# Altium PCB adafruit flora mainboard 2.PcbDoc
Units mil, origin at the board's own origin, x right, y up, seen from the top; angles counter-clockwise.
Board outline 1750 x 1740 mil, 16 copper layers (Top, Route2, Route3, Route4, Route5, Route6, Route7, Route8, Route9, Route10, Route11, Route12, Route13, Route14, Route15, Bottom), stack 34.956 mil thick; 55 components, 39 nets, 159 pads, 47 vias.
Unrouted connection lines stored in the file: 1.
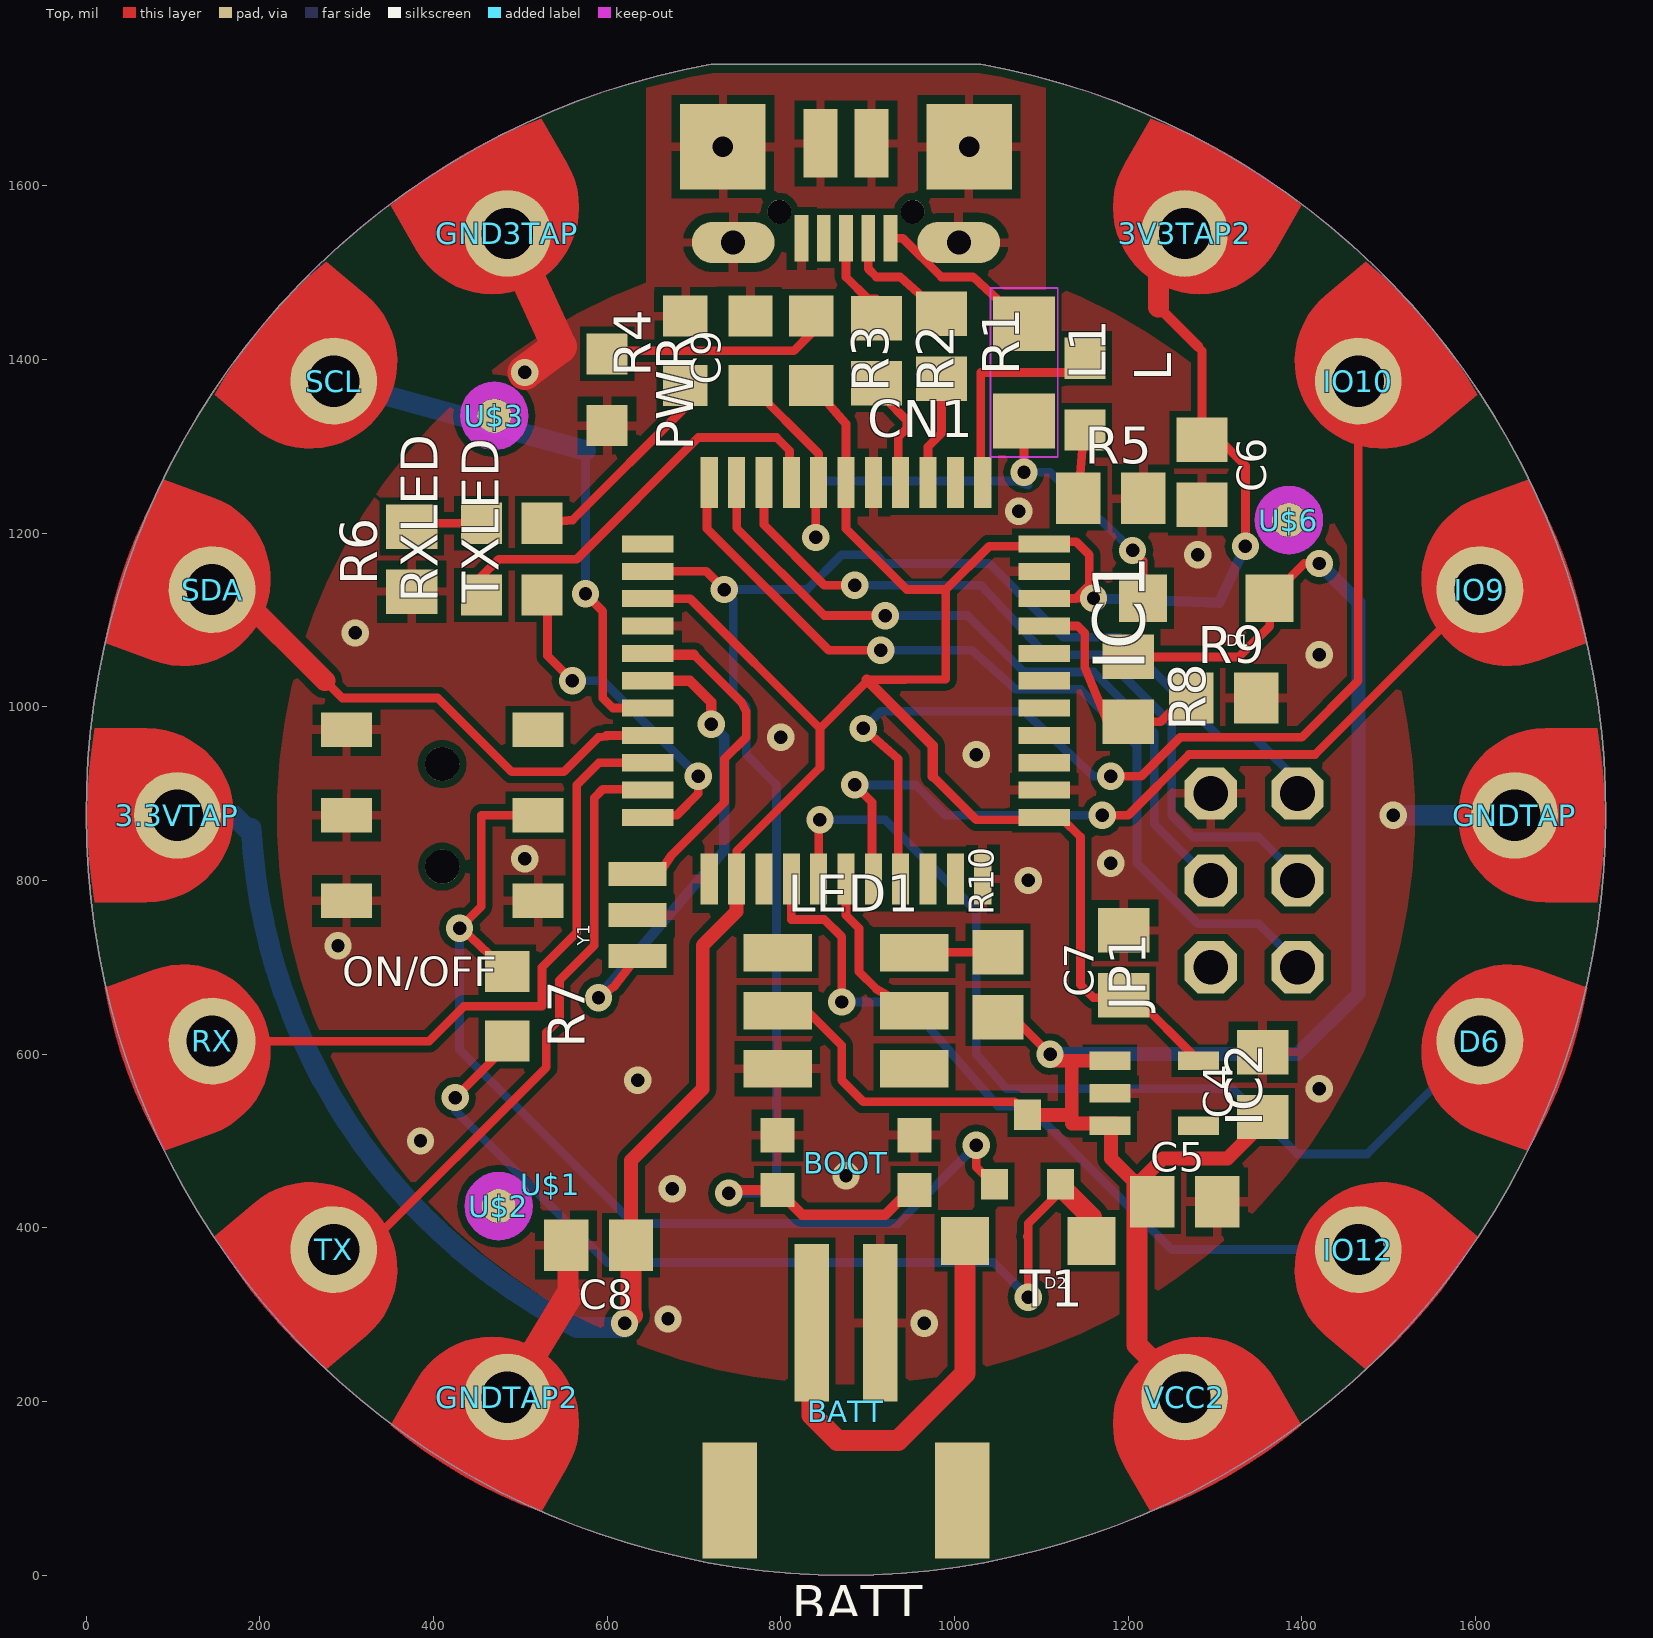
[diagram p0: Top view]
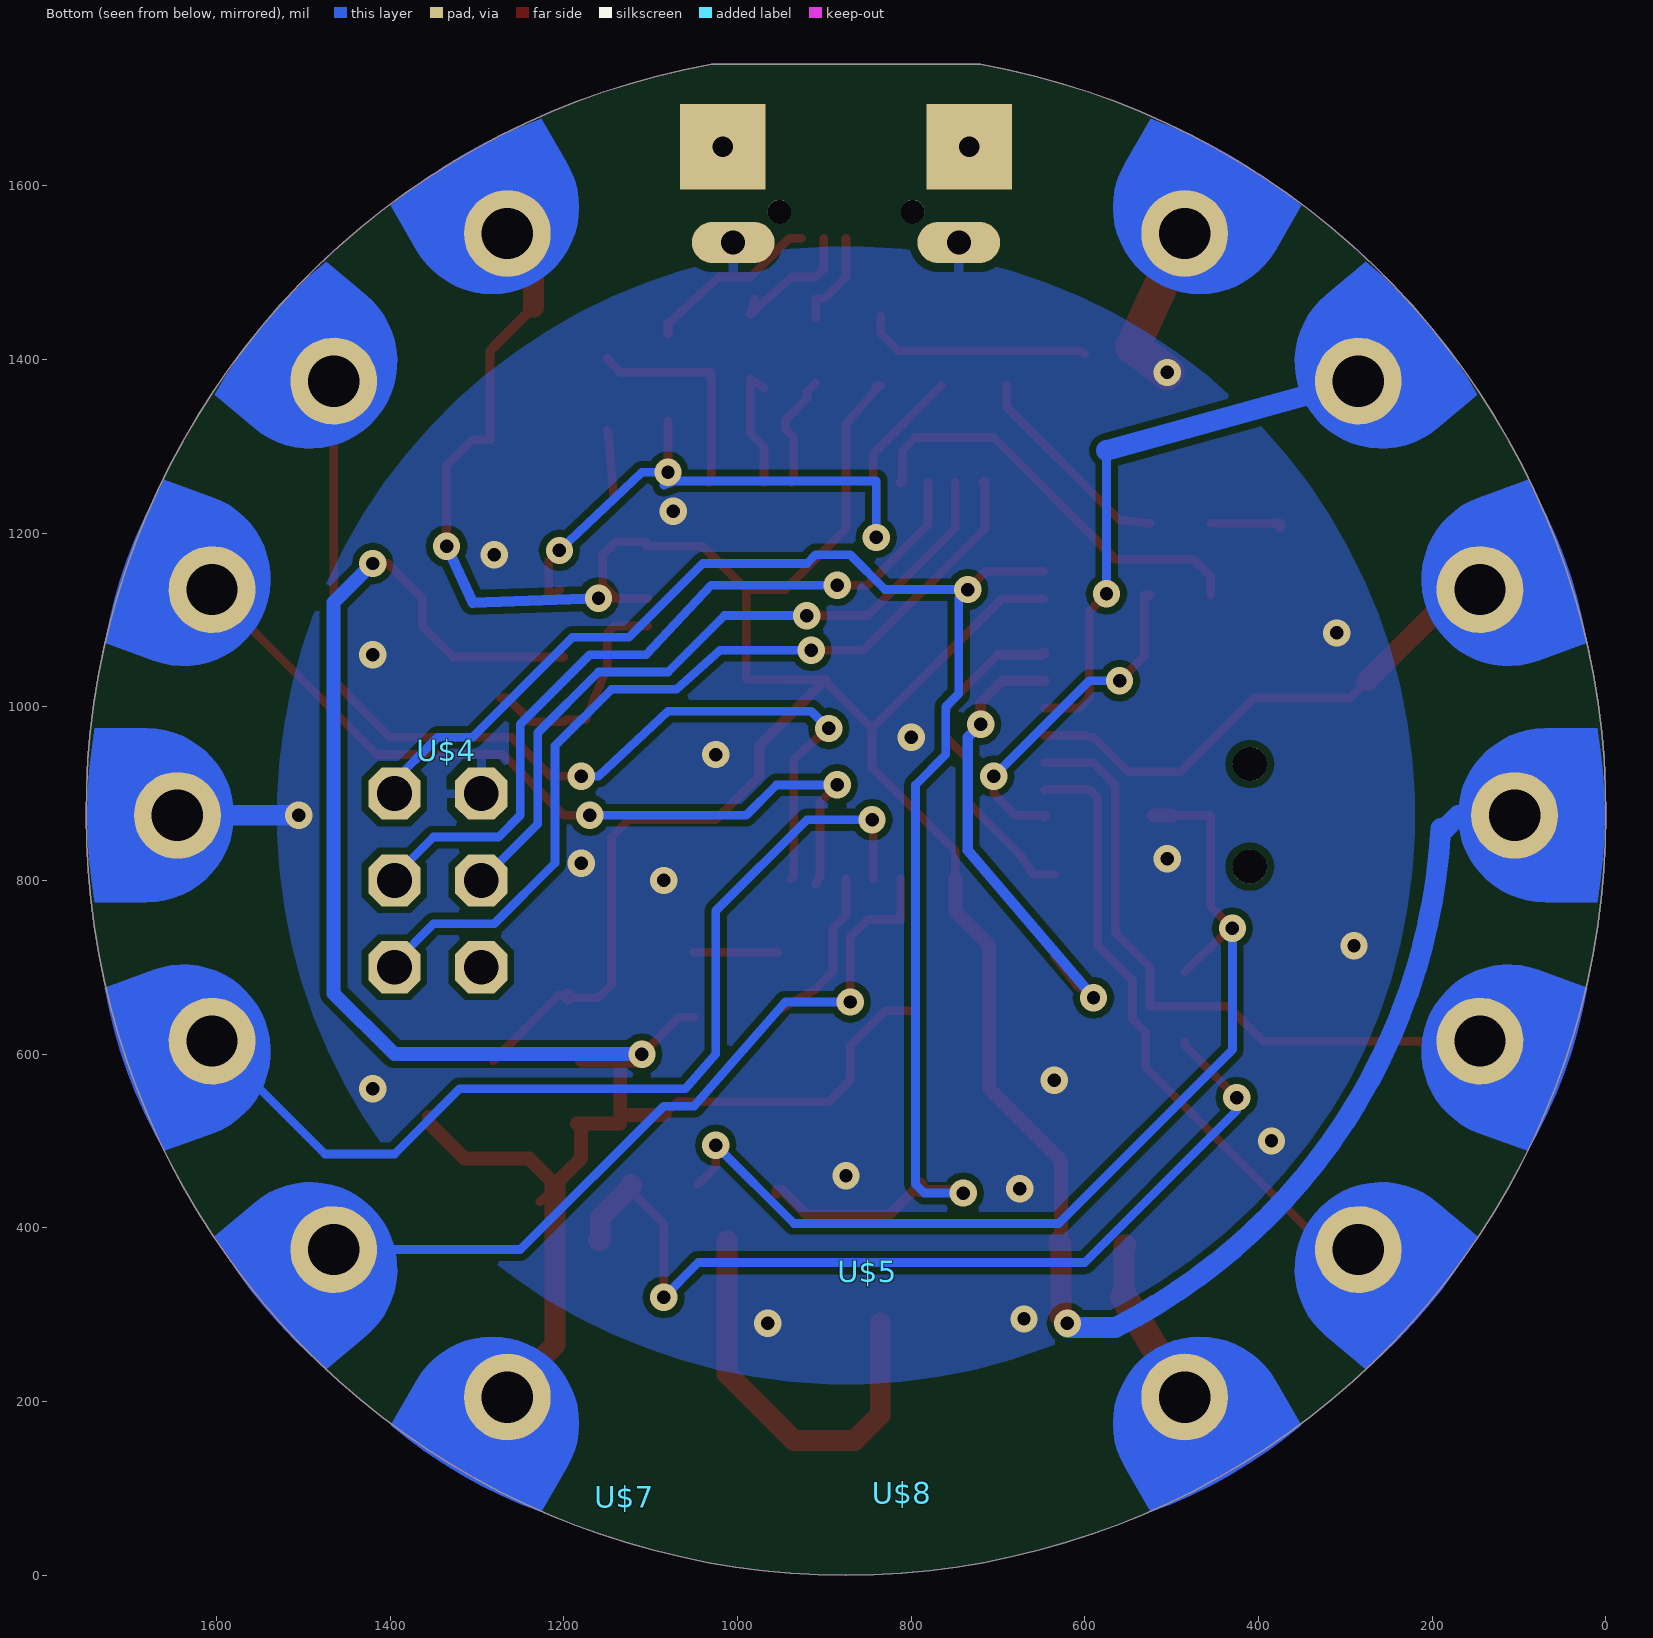
[diagram p1: Bottom view, seen from below]

## Layer stack, top to bottom
Top Solder: solder mask 0.4, Solder Resist, Dk 3.5
Top: signal copper 1.378
Dielectric 1: dielectric 12.6, FR-4, Dk 4.8
Route2: signal copper 1.4
Route3: signal copper 1.4
Route4: signal copper 1.4
Route5: signal copper 1.4
Route6: signal copper 1.4
Route7: signal copper 1.4
Route8: signal copper 1.4
Route9: signal copper 1.4
Route10: signal copper 1.4
Route11: signal copper 1.4
Route12: signal copper 1.4
Route13: signal copper 1.4
Route14: signal copper 1.4
Route15: signal copper 1.4
Bottom: signal copper 1.378
Bottom Solder: solder mask 0.4, Solder Resist, Dk 3.5

## Board outline
720.01,1740 ccw(c875.44,878.47) 0.01,875 ccw(c875.01,875) 875.01,0 ccw(c875.01,875) 1750.01,875 ccw(c874.57,878.47) 1030.01,1740

## Design rules (kind name [scope] priority, off if disabled: settings)
BoardOutlineClearance mdCopperDimension [All] p1: gap=10 ignorepadtopadclearanceinfootprint=FALSE except(0: Arc-SplitContinuation Track-SplitContinuation SMDPad-SplitContinuation THPad-SplitContinuation Via-SplitContinuation Fill-SplitContinuation Poly-SplitContinuation Region-SplitContinuation Text-SplitContinuation)
Clearance "Clearance (Same Net)" [All] p1: gap=8 ignorepadtopadclearanceinfootprint=FALSE
Clearance [All] p2: gap=8 ignorepadtopadclearanceinfootprint=FALSE except(0: Arc-Poly Track-Poly SMDPad-Poly THPad-Poly Via-Poly Fill-Poly Poly-Poly Poly-Region Poly-Text; 10: Poly-Hole)
HoleSize [All] p1: absolutevalues=TRUE maxlimit=100000 minlimit=15.5 maxpercent=80.000 minpercent=20.000
HoleToHoleClearance mdDrill [All] p1: gap=8 allowstackedmicrovias=TRUE
PasteMaskExpansion Expansion_SMDPaste_OFF [InPadClass('SMDPaste_OFF')] p1: expansion=0
PasteMaskExpansion mlMinCreamFrame [All] p2: expansion=0
PolygonConnect PolygonConnect_For_PolygonThermal_ON_Width100000_Gap100000 [InPolygonClass('PolygonThermal_ON_Width100000_Gap100000') vs Not IsVia] p1: connectstyle=Relief reliefconductorwidth=10 reliefentries=4 polygonreliefangle="90 Angle" airgapwidth=10
PolygonConnect ThermalVias [IsVia] p2: connectstyle=Direct reliefconductorwidth=10 reliefentries=4 polygonreliefangle="90 Angle" airgapwidth=10
PolygonConnect [All] p3: connectstyle=Relief reliefconductorwidth=10 reliefentries=4 polygonreliefangle="90 Angle" airgapwidth=10
RoutingVias [All] p1: holewidth=15.5 width=31.5 viastyle="Through Hole" minholewidth=15.5 minwidth=31.5 maxholewidth=100 maxwidth=100
SolderMaskExpansion Expansion_SMDSolder_OFF [InPadClass('SMDSolder_OFF')] p1: expansion=0
SolderMaskExpansion mlMinStopFrame [All] p2: expansion=2
Width [All] p1: maxlimit=10000 minlimit=8 preferedwidth=8
27 further rules are at their usual default settings.

## Classes and differential pairs
polygon class PolygonThermal_ON_Width100000_Gap100000: Polygon_1_Net_GND Polygon_2_Net_GND Polygon_3_Net_GND
polygon class Isolate_0: Polygon_1_Net_GND Polygon_2_Net_GND Polygon_3_Net_GND
pad class SMDSolder_OFF: CN1-D+ CN1-D- CN1-GND CN1-ID CN1-VBUS
pad class SMDPaste_OFF: U$2-1 U$3-1 U$6-1

## Components (designator, comment, footprint, x,y, rotation, side; value= is the part's Value field where it differs from the comment)
3.3VTAP "" SEWINGTAP_2.0 105.01,875 r90 top
3V3TAP2 "" SEWINGTAP_2.0 1265.01,1545 r330 top
BATT "3-9VDC" JST-PH-2-SMT-RA 875.01,145 r180 top
BOOT "" KMR2 875.01,475 r180 top
C4 "10uF" 0805-NO 1355.01,565 r90 top
C5 "10uF" 0805-NO 1265.01,430 r0 top
C6 "10uF" 0805-NO 1285.01,1270 r270 top
C7 "10uF" 0805-NO 1195.01,705 r90 top
C8 "10uF" 0805-NO 590.01,380 r180 top
C9 "10uF" _0805MP 765.01,1410 r90 top
CN1 "MiniB USB" 4UCONN_20329 875.01,1570 r180 top
D1 "SCHOTTKY" SOD-123 1290.01,1125 r180 top
D2 "SCHOTTKY" SOD-123 1085.01,385 r180 top
D6 "" SEWINGTAP_2.0 1605.01,615 r250 top
GND3TAP "" SEWINGTAP_2.0 485.01,1545 r30 top
GNDTAP "" SEWINGTAP_2.0 1645.01,875 r270 top
GNDTAP2 "" SEWINGTAP_2.0 485.01,205 r150 top
IC1 "ATMEGA32U4-AU" TQFP44 875.01,1030 r270 top
IC2 "MIC5225-3.3V" SOT23-5L 1230.01,555 r270 top
IO9 "" SEWINGTAP_2.0 1605.01,1135 r290 top
IO10 "" SEWINGTAP_2.0 1465.01,1375 r310 top
IO12 "" SEWINGTAP_2.0 1465.01,375 r230 top
JP1 "ICSP" 2X03 1345.01,800 r90 top
L "RED" CHIPLED_0805_NOOUTLINE 1150.01,1360 r180 top
L1 "500mA" R1206 1080.01,1385 r270 top
LED1 "WS2812" WS2812 875.01,650 r0 top
ON/OFF "EG1390" EG1390 410.01,875 r90 top
PWR "GREEN" CHIPLED_0805_NOOUTLINE 600.01,1365 r180 top
R1 "22" 0805-NO 985.01,1415 r270 top
R2 "22" 0805-NO 910.01,1410 r270 top
R3 "1K" _0805MP 835.01,1410 r270 top
R4 "1K" _0805MP 690.01,1410 r90 top
R5 "1K" 0805-NO 1180.01,1240 r0 top
R6 "1K" 0805-NO 375.01,1170 r90 top
R7 "10K" _0805MP 485.01,655 r270 top
R8 "150K" 0805-NO 1200.01,1020 r270 top
R9 "10K" 0805-NO 1310.01,1010 r0 top
R10 "2.2K" 0805-NO 1050.01,680 r90 top
RX "" SEWINGTAP_2.0 145.01,615 r110 top
RXLED "YELLOW" CHIPLED_0805_NOOUTLINE 455.01,1170 r0 top
SCL "" SEWINGTAP_2.0 285.01,1375 r50 top
SDA "" SEWINGTAP_2.0 145.01,1135 r70 top
T1 "DMG3415" SOT-23 1085.01,490 r180 top
TX "" SEWINGTAP_2.0 285.01,375 r130 top
TXLED "YELLOW" CHIPLED_0805_NOOUTLINE 525.01,1170 r0 top
U$1 "" ADAFRUIT_5MM 535.01,450 r0 top
U$2 "" FIDUCIAL_1MM 475.01,425 r0 top
U$3 "" FIDUCIAL_1MM 470.01,1335 r0 top
U$4 "" FLORAMED 1335.01,950 r180 bottom
U$5 "" PCBFEAT-REV-040 850.01,350 r180 bottom
U$6 "" FIDUCIAL_1MM 1385.01,1215 r0 top
U$7 "" SYMBOL_FCC_5MM 1130.01,90 r180 bottom
U$8 "" SYMBOL_CE_5MM 810.01,95 r180 bottom
VCC2 "" SEWINGTAP_2.0 1265.01,205 r210 top
Y1 "8MHz" RESONATOR-SMD 635.01,760 r90 top

## Footprints (in the part's own frame and the unit in brackets; to place one, negate y for a bottom-side part, rotate by r counter-clockwise, add the part's x,y. Pads: shape width x height; smd on the part's side, far side on the other; paste and mask are expansions set on the pad)
2X03 [mil] "2X03"
  oct 60x60 hole 40: 1(-100,-50) 2(-100,50) 3(0,-50) 4(0,50) 5(100,-50) 6(100,50)
  body extent -130,-80 130,80, height 150
4UCONN_20329 [mm] "4UCONN_20329"
  rect 1x2 smd: BASE@1(-0.75,-2) BASE@2(0.75,-2)
  rect 0.4x1.35 smd mask+0: D+(0,0.775) D-(-0.65,0.775) GND(1.3,0.775) ID(0.65,0.775) VBUS(-1.3,0.775)
  round 0.7 hole 0.7 unplated: MH1(-1.95,0) MH2(1.95,0)
  oval 2.416x1.208 / inner round 1.524 / far side oval 2.416x1.208 hole 0.7: SPRT@1(-3.3,0.9) SPRT@2(3.3,0.9)
  rect 2.5x2.5 / inner rect 1.524x1.524 / far side rect 2.5x2.5 hole 0.6: SPRT@3(-3.6,-1.9) SPRT@4(3.6,-1.9)
  body extent -5.05,-4.97 5.05,1.67, height 3.81
0805-NO [mil] "0805-NO"
  rect 51.18x59.06 smd: 1(-37.4,0) 2(37.4,0)
  body extent -63,-30 63,30, height 150
_0805MP [mil] "_0805MP"
  rect 47.24x51.18 smd: 1(-40,0) 2(40,0)
  body extent -64,-26 64,26, height 150
ADAFRUIT_5MM [mil] "ADAFRUIT_5MM"
CHIPLED_0805_NOOUTLINE [mil] "CHIPLED_0805_NOOUTLINE"
  rect 47.24x47.24 smd: A(0,-41.34) C(0,41.34)
  body extent -25,-65 25,65, height 150
EG1390 [mm] "EG1390"
  round 1 hole 1 unplated: MH1(1.5,0) MH2(-1.5,0)
  rect 1x1.5 smd: O1(-2.5,2.8) O2(-2.5,-2.8) P1(0,2.8) P2(0,-2.8) S1(2.5,2.8) S2(2.5,-2.8)
  body extent -3,-3.55 3,3.55, height 1.27
FIDUCIAL_1MM [mm] "FIDUCIAL_1MM"
  rrect100% 1x1 smd paste+0: 1(0,0)
  Top keep-out lines w0.5: -0.75,0 ccw(c0,0) 0,-0.75 ; -0.75,0 cw(c0,0) 0,0.75 ; -0.75,0 ccw(c0,0) 0,-0.75 ; -0.75,0 cw(c0,0) 0,0.75 ; 0,-0.75 ccw(c0,0) 0.75,0 ; 0,-0.75 ccw(c0,0) 0.75,0 ; 0,0.75 cw(c0,0) 0.75,0 ; 0,0.75 cw(c0,0) 0.75,0
  body extent -1.01,-1.01 1.01,1.01, height 3.81
FLORAMED [mil] "FLORAMED"
JST-PH-2-SMT-RA [mm] "JST-PH-2-SMT-RA"
  rect 1x4.6 smd: 1(1,-3.7) 2(-1,-3.7)
  rect 1.6x3.4 smd: NC1(-3.4,1.5) NC2(3.4,1.5)
  body extent -4.2,-6 4.2,3.2, height 3.81
KMR2 [mm] "KMR2"
  rect 1x1 smd: 1(2,0.8) 2(2,-0.8) 3(-2,0.8) 4(-2,-0.8)
  body extent -2.5,-1.3 2.5,1.3, height 1.27
PCBFEAT-REV-040 [mil] "PCBFEAT-REV-040"
R1206 [mil] "R1206"
  rect 62.99x70.98 smd: 1(-55.98,0) 2(55.98,0)
  Top keep-out lines w2: 97.36,-38.7 -97.36,-38.7 -97.36,38.7 97.36,38.7 97.36,-38.7
  body extent -98,-40 98,40, height 150
RESONATOR-SMD [mil] "RESONATOR-SMD"
  rect 27.56x66.93 smd: 1(-47.24,0) 2(0,0) 3(47.24,0)
  body extent -66,-33 66,33, height 150
SEWINGTAP_2.0 [mil] "SEWINGTAP_2.0"
  round 100 / inner round 60 / far side round 100 hole 59.06: P$1(0,0)
  Top region: 100,95 0,103.75 -100,95 -100,95 -100,35 -92.39,-3.27 -70.71,-35.71 -38.27,-57.39 0,-65 0,-65 38.27,-57.39 70.71,-35.71 92.39,-3.27 100,35 100,35 100,95
  Bottom region: 100,95 0,103.75 -100,95 -100,95 -100,35 -92.39,-3.27 -70.71,-35.71 -38.27,-57.39 0,-65 0,-65 38.27,-57.39 70.71,-35.71 92.39,-3.27 100,35 100,35 100,95
  body extent -100,-65 100,104, height 150
SOD-123 [mil] "SOD-123"
  rect 55.12x55.12 smd: A(72.83,0) C(-72.83,0)
  body extent -100,-32 100,32, height 150
SOT23-5L [mil] "SOT23-5L"
  rect 21.65x47.24 smd: 1(-37.4,-51.18) 2(0,-51.18) 3(37.4,-51.18) 4(37.4,51.18) 5(-37.4,51.18)
  body extent -59,-75 59,75, height 150
SOT-23 [mil] "SOT-23"
  rect 31x35 smd: 1(1,-40) 2(-37,40) 3(39,40)
  body extent -53,-58 54,58, height 150
SYMBOL_CE_5MM [mil] "SYMBOL_CE_5MM"
SYMBOL_FCC_5MM [mil] "SYMBOL_FCC_5MM"
TQFP44 [mil] "TQFP44"
  rect 59.06x19.69 smd: 1(-228.35,157.48) 2(-228.35,125.98) 3(-228.35,94.49) 4(-228.35,62.99) 5(-228.35,31.5) 6(-228.35,0) 7(-228.35,-31.5) 8(-228.35,-62.99) 9(-228.35,-94.49) 10(-228.35,-125.98) 11(-228.35,-157.48) 23(228.35,-157.48) 24(228.35,-125.98) 25(228.35,-94.49) 26(228.35,-62.99) 27(228.35,-31.5) 28(228.35,0) 29(228.35,31.5) 30(228.35,62.99) 31(228.35,94.49) 32(228.35,125.98) 33(228.35,157.48)
  rect 19.69x59.06 smd: 12(-157.48,-228.35) 13(-125.98,-228.35) 14(-94.49,-228.35) 15(-62.99,-228.35) 16(-31.5,-228.35) 17(0,-228.35) 18(31.5,-228.35) 19(62.99,-228.35) 20(94.49,-228.35) 21(125.98,-228.35) 22(157.48,-228.35) 34(157.48,228.35) 35(125.98,228.35) 36(94.49,228.35) 37(62.99,228.35) 38(31.5,228.35) 39(0,228.35) 40(-31.5,228.35) 41(-62.99,228.35) 42(-94.49,228.35) 43(-125.98,228.35) 44(-157.48,228.35)
  body extent -258,-258 258,258, height 150
WS2812 [mm] "WS2812"
  rect 2x1.1 smd: DI(2,0) DO(2,-1.7) LEDVDD(-2,0) NC(-2,1.7) VDD(2,1.7) VSS(-2,-1.7)
  body extent -3,-2.25 3,2.25, height 1.27

## Part data
3.3VTAP 3V3TAP2 D6 GND3TAP GNDTAP GNDTAP2 IO9 IO10 IO12 RX SCL SDA TX VCC2: library part SEWINGTAP_2.0, PackageName=SEWINGTAP_2.0
BATT: library part JST-PH-2-SMT-RA, PackageName=JST-PH-2-SMT-RA
BOOT: library part KMR2, PackageName=KMR2
C4 C5 C6 C7 C8 R1 R2 R5 R6 R8 R9 R10: library part 0805-NO, PackageName=0805-NO
C9 R3 R4 R7: library part _0805MP, PackageName=_0805MP
CN1: library part 4UCONN_20329, PackageName=4UCONN_20329
D1 D2: library part SOD-123, PackageName=SOD-123
IC1: library part TQFP44, PackageName=TQFP44
IC2: library part SOT23-5L, PackageName=SOT23-5L
JP1: library part 2X03, PackageName=2X03
L PWR RXLED TXLED: library part CHIPLED_0805_NOOUTLINE, PackageName=CHIPLED_0805_NOOUTLINE
L1: library part R1206, PackageName=R1206
T1: library part SOT-23, PackageName=SOT-23
U$1: library part ADAFRUIT_5MM, PackageName=ADAFRUIT_5MM
U$2 U$3 U$6: library part FIDUCIAL_1MM, PackageName=FIDUCIAL_1MM
U$4: library part FLORAMED, PackageName=FLORAMED
U$5: library part PCBFEAT-REV-040, PackageName=PCBFEAT-REV-040
U$7: library part SYMBOL_FCC_5MM, PackageName=SYMBOL_FCC_5MM
U$8: library part SYMBOL_CE_5MM, PackageName=SYMBOL_CE_5MM
Y1: library part RESONATOR-SMD, PackageName=RESONATOR-SMD
LED1: PackageName=WS2812
ON/OFF: PackageName=EG1390

## Via types
v1: diameter 31.5/31.5/31.5/31.5/31.5/31.5/31.5/31.5/31.5/31.5/31.5/31.5/31.5/31.5/31.5/31.5 (per signal layer), hole 15.5, Top to Bottom, tented both sides, 47 vias

## Nets (pads, with @x,y where several pads share a name; then routed paths per layer and width w, separated by ;. In a path a pad name is that pad's centre, name@x,y a point inside that pad or via, vN(x,y) a via of type N, cw(c..) or ccw(c..) an arc to the next point about the centre after c; other vN are vias at no path point)
+3V3: 3.3VTAP.P$1 3V3TAP2.P$1 C6.1 C7.1 C8.1 IC1.6 IC1.14 IC1.24 IC1.34 IC1.42 IC1.44 IC2.5 R3.2 | length 4223.8
  Top w10: IC1.14 695.52,1124.49 845.01,975 ; IC1.24 749.03,834.02 845.01,930 845.01,975 ; R3.2 840.64,1369.37 840.64,1365 875.01,1325.63 IC1.6 875.01,1205 945.01,1135 990.01,1135 ; 899.09,1030.92 990.01,1031.83 990.01,1135 ; 902.51,1027.5 897.51,1027.5 845.01,975 ; 975.01,920 1025.01,870 IC1.34@1105.01,870 ; IC1.34@1115.01,875 1110.01,870 IC1.34@1105.01,870 ; v1(1160.01,1125) 1103.87,1125 IC1.42 1139.5,1124.49 1155.01,1140 1155.01,1175 1140.01,1190 1105.88,1190 IC1.44 1105.01,1185.83 1105.01,1185 1040.01,1185 990.01,1135 ; C7.1@1195.01,665 1160.01,665 1145.01,680 1145.01,850 1125.01,870 1105.88,870 IC1.34 ; C7.1 1205.99,667.6 IC2.5 ; 1280.01,1415 1285.01,1410 C6.1 1305.01,1307.4 1335.01,1277.4 v1(1335.01,1185) ; IC1.34 1105.01,870.87 IC1.34@1105.01,870 ; IC1.34 1103.36,871.65 IC1.34@1105.01,870
  Top w12: 899.09,1030.92 902.51,1027.5 975.01,955 975.01,920 ; 1235.01,1460 1280.01,1415
  Top w16: C8.1 627.41,477.4 710.01,560 710.01,725 749.03,764.02 IC1.24 ; C7.1@1195.01,665 C7.1
  Top w24: v1(620.01,290) 629.38,299.37 627.41,301.34 C8.1 630.01,380 C8.1@630.01,385 ; 1235.01,1460 1235.01,1515 3V3TAP2.P$1
  Bottom w12: v1(1160.01,1125) 1305.01,1120 v1(1335.01,1185)
  Bottom w24: 3.3VTAP.P$1 170.01,875 190.01,855 190.01,860 ccw(c875.47,897.26) 565.01,285 620.01,285 v1(620.01,290)
+5V: C9.1 D1.A IC1.7 L1.2 | length 833.3
  Top w10: C9.1 843.51,1291.5 IC1.7 840.01,1258.35 v1(840.01,1195) ; v1(1080.01,1270) L1.2 ; D1.A@1205.01,1135 D1.A 1217.18,1167.83 v1(1205.01,1180)
  Bottom w10: v1(840.01,1195) 840.01,1260 1070.01,1260 1085.01,1255 v1(1080.01,1270) 1110.01,1270 v1(1205.01,1180)
A5: IC1.41 R8.2 R9.1 | length 264.9
  Top w10: IC1.41 1142.02,1092.99 1150.01,1085 1150.01,1045 1175.01,985 1197.61,985 R8.2 1237.61,982.6 1265.01,1010 R9.1
D0/RX: IC1.20 RX.P$1 | length 767.4
  Top w10: RX.P$1 395.01,615 435.01,655 525.01,655 525.01,700 565.01,740 565.01,910 590.52,935.51 IC1.20
  Top w24: RX.P$1 RX.P$1@150.01,610
D1/TX: IC1.21 TX.P$1 | length 783.4
  Top w10: TX.P$1 320.01,375 530.01,585 530.01,625 545.01,640 545.01,685 585.01,725 585.01,895 595.01,905 645.01,905 645.99,904.02 IC1.21 ; TX.P$1@315.01,405 315.01,415
  Top w24: TX.P$1 TX.P$1@315.01,405
D6*: D6.P$1 IC1.27 | length 1148.5
  Top w10: IC1.27 843.51,871.5 v1(845.01,870)
  Bottom w10: v1(845.01,870) 920.01,870 1025.01,765 1025.01,600 1060.01,560 1320.01,560 1395.01,485 1475.01,485 D6.P$1 D6.P$1@1610.01,615
D7: IC1.1 L.A | length 255.3
  Top w10: IC1.1 1030.84,1260 1030.01,1260 1030.01,1385 1135.01,1385 L.A
GND: BATT.2 BOOT.2 BOOT.4 C4.2 C5.2 C6.2 C7.2 C8.2 C9.2 CN1.BASE@1 CN1.BASE@2 CN1.GND CN1.SPRT@1 CN1.SPRT@2 CN1.SPRT@3 CN1.SPRT@4 GND3TAP.P$1 GNDTAP2.P$1 GNDTAP.P$1 IC1.5 IC1.15 IC1.23 IC1.33 IC1.35 IC1.43 IC2.2 JP1.6 LED1.VSS ON/OFF.O1 ON/OFF.O2 ON/OFF.P1 ON/OFF.S1 PWR.C R4.2 R5.2 R6.1 R9.2 Y1.2 | length 560.2
  Top w24: GND3TAP.P$1 GND3TAP.P$1@520.01,1545 ; C8.2 555.01,380 555.01,320 555.01,315
  Top w32: GNDTAP2.P$1 555.01,320
  Top w40: GND3TAP.P$1 545.01,1415 v1(505.01,1385)
  Bottom w24: v1@1515.01,875 GNDTAP.P$1
  other v1: 965.01,290 670.01,295 675.01,445 875.01,460 385.01,500 1420.01,560 635.01,570 290.01,725 1085.01,800 1180.01,820 505.01,825 1505.01,875 1025.01,945 800.01,965 1420.01,1060 310.01,1085 1280.01,1175 1074.01,1225
IO9*: IC1.29 IO9.P$1 | length 970.5
  Top w10: v1(885.01,910) 905.01,890 IC1.29@905.01,805.16 ; IC1.29 IC1.29@905.01,805.16 ; IC1.29@910.01,795 IC1.29@905.01,805.16 ; v1(1170.01,875) 1200.01,875 1270.01,945 1415.01,945 IO9.P$1
  Bottom w10: v1(885.01,910) 955.01,910 990.01,875 v1(1170.01,875)
IO10*: IC1.30 IO10.P$1 | length 1191.2
  Top w10: v1(895.01,975) 935.01,940 935.01,804.65 IC1.30 ; v1(1180.01,920) 1215.01,920 1260.01,965 1400.01,965 1465.01,1030 IO10.P$1
  Bottom w10: v1(895.01,975) 915.01,995 1080.01,995 1160.01,920 v1(1180.01,920)
IO12*: IC1.26 IO12.P$1 | length 905.7
  Top w10: IC1.26 812.02,755 850.01,755 870.01,735 v1(870.01,660)
  Bottom w10: v1(870.01,660) 945.01,660 1050.01,540 1085.01,540 1250.01,375 IO12.P$1
MISO: IC1.11 JP1.1 | length 1028
  Top w10: IC1.11 715.88,1260 715.01,1260 715.01,1205 855.01,1065 v1(915.01,1065)
  Bottom w10: v1(915.01,1065) 1020.01,1065 1070.01,1020 1145.01,1020 1210.01,955 1210.01,820 1280.01,750 1350.01,750 1395.01,705 JP1.1
MOSI: IC1.10 JP1.4 | length 828
  Top w10: IC1.10 749.03,1205.98 850.01,1105 v1(920.01,1105)
  Bottom w10: v1(920.01,1105) 1015.01,1105 1080.01,1040 1160.01,1040 1230.01,970 1230.01,865 JP1.4
N$1: PWR.A R3.1 | length 264.3
  Top w10: PWR.A 606.35,1410 815.01,1410 835.01,1430 R3.1
N$2: CN1.D+ R2.1 | length 112.4
  Top w10: CN1.D+ 875.01,1495 900.01,1470 910.01,1470 R2.1
N$3: IC1.3 R1.2 | length 144.4
  Top w10: IC1.3 969.5,1299.49 985.01,1315 R1.2 R1.2@969.5,1367.09
N$4: IC1.4 R2.2 | length 134.1
  Top w10: R2.2 920.01,1362.6 920.01,1355 945.01,1330 945.01,1320 935.01,1310 935.01,1261.34 IC1.4
N$5: CN1.D- R1.1 | length 163.6
  Top w10: CN1.D- 900.6,1504.41 910.01,1495 937.41,1495 R1.1 ; R1.1@980.01,1455 R1.1 ; R1.1@980.01,1470 R1.1
N$6: D2.C R7.2 T1.2 | length 1078.5
  Top w10: v1(425.01,550) 485.01,610 R7.2 ; 1084.01,390 1085.01,390 ; v1(1085.01,320) 1085.01,390 ; T1.2@1125.01,445 1085.01,405 1085.01,390
  Top w24: T1.2 1122.01,448 1125.01,445 1157.84,412.17 D2.C D2.C@1160.01,385
  Bottom w10: v1(425.01,550) 425.01,535 600.01,360 1045.01,360 v1(1085.01,320)
N$7: BATT.1 D2.A | length 479.8
  Top w24: BATT.1 835.64,184.37 865.01,155 935.01,155 1012.18,232.17 D2.A
N$8: IC1.17 Y1.1 | length 549.6
  Top w10: v1(590.01,665) 607.77,677.76 Y1.1
  Top w12: IC1.17 695.01,1030 720.01,1005 v1(720.01,980)
  Bottom w12: v1(590.01,665) 735.01,835 735.01,965 v1(720.01,980)
N$9: IC1.16 Y1.3 | length 395.5
  Top w10: Y1.3 658.75,806.5 673.75,828.74 735.01,890 735.01,940 760.01,965 760.01,995 755.01,1005 700.01,1060
  Top w12: IC1.16 648.51,1061.5 650.01,1060 700.01,1060
N$10: L.C R5.1 | length 79.1
  Top w10: R5.1 1148.04,1309.37 1148.04,1311.34 L.C
N$11: R4.1 TXLED.C | length 245.9
  Top w10: TXLED.C@526.35,1210 TXLED.C 560.01,1215 690.01,1345 R4.1
N$12: R6.2 RXLED.C | length 83.2
  Top w10: R6.2@376.35,1211.34 RXLED.C
  Top w12: R6.2 375.01,1210 R6.2@376.35,1211.34
N$13: ON/OFF.P2 R7.1 T1.3 | length 1190
  Top w10: R7.1 432.41,745 v1(430.01,745) 455.01,770 455.01,875 ON/OFF.P2@500.01,875 ; v1(1025.01,495) 1025.01,470 1045.01,450 T1.3
  Top w16: ON/OFF.P2@500.01,875 ON/OFF.P2
  Bottom w10: v1(430.01,745) 430.01,605 630.01,405 935.01,405 v1(1025.01,495)
N$14: LED1.VDD R10.2 | length 96.5
  Top w10: LED1.VDD 954.22,717.4 R10.2
N$15: IC1.25
NEOPIX: IC1.28 LED1.DI | length 191.5
  Top w10: IC1.28 875.01,760 890.01,745 890.01,695 910.01,675 LED1.DI
PC6: IC1.31
PC7: IC1.32
PD0: IC1.18 SCL.P$1 | length 650.5
  Top w10: v1(575.01,1130) 595.01,1110 595.01,1010 606.51,998.5 IC1.18
  Bottom w10: v1(575.01,1130) 575.01,1295
  Bottom w24: SCL.P$1 575.01,1295
PD1: IC1.19 SDA.P$1 | length 610.6
  Top w10: 275.01,1030 295.01,1010 405.01,1010 490.01,925 550.01,925 590.01,965 600.01,966.02 599.03,967.01 IC1.19
  Top w24: SDA.P$1 145.01,1130 175.01,1130 275.01,1030
RST: BOOT.1 BOOT.3 IC1.13 JP1.5 | length 1954.9
  Top w10: IC1.13 714.03,1155.98 v1(735.01,1135) ; v1(740.01,440) v1@745.01,445
  Top w12: v1(740.01,440) 740.01,443.5 BOOT.1 ; BOOT.1@790.01,443.5 BOOT.1 ; BOOT.3@955.01,440 955.01,443.5 BOOT.3 948.51,443.5 920.01,415 824.77,415 BOOT.1
  Top w16: BOOT.1@790.01,443.5 BOOT.1@790.01,450
  Bottom w10: v1@735.01,1145 v1(735.01,1135) ; v1(740.01,440) 785.01,440 795.01,450 795.01,910 760.01,945 760.01,1000 745.01,1015 745.01,1125 v1(735.01,1135) ; JP1.5 1400.01,895 1400.01,910 1345.01,965 1305.01,965 1190.01,1080 1125.01,1080 1040.01,1165 920.01,1165 910.01,1175 870.01,1175 830.01,1135 v1(735.01,1135)
RXLED/SS: IC1.8 RXLED.A | length 486.3
  Top w10: RXLED.A 455.01,1150 475.01,1170 565.01,1170 705.01,1310 795.01,1310 810.01,1295 IC1.8@810.01,1260.35
  Top w12: IC1.8@810.01,1260.35 IC1.8
SCK: IC1.9 JP1.3 | length 898.9
  Top w10: IC1.9 780.52,1209.49 850.01,1140 v1(885.01,1140)
  Bottom w10: v1(885.01,1140) 1030.01,1140 1105.01,1060 1170.01,1060 1250.01,980 1250.01,875 1275.01,850 1350.01,850 1395.01,805 JP1.3
TXLED: IC1.22 TXLED.A | length 402.8
  Top w10: TXLED.A TXLED.A@531.35,1128.66 ; TXLED.A@530.01,1130 TXLED.A@531.35,1128.66 ; v1(560.01,1030) 531.35,1058.66 TXLED.A@531.35,1128.66 ; IC1.22 645.01,874.17 645.01,875 680.01,875 705.01,900 v1(705.01,920)
  Bottom w10: v1(560.01,1030) 595.01,1030 v1(705.01,920)
VBUS: CN1.VBUS L1.1 | length 204.2
  Top w10: CN1.VBUS 940.52,1539.49 985.01,1495 1020.99,1495 L1.1
  Top w12: L1.1@1080.01,1430 L1.1
VCC: C4.1 C5.1 D1.C IC2.1 IC2.3 LED1.LEDVDD R8.1 R10.1 T1.1 VCC2.P$1 | length 2423.4
  Top w10: LED1.LEDVDD 830.01,650 870.01,610 870.01,570 895.01,545 1069.01,545 T1.1 ; R10.1 1067.41,642.6 v1(1110.01,600) ; IC2.3 1178.83,518.82 IC2.3@1180.01,520 ; R8.1 1327.41,1057.4 1362.84,1092.83 D1.C 1402.84,1165 v1(1420.01,1165) ; C5.1@1210.01,435 1222.61,435 C5.1
  Top w16: T1.1 1135.01,530 ; v1(1110.01,600) 1110.01,592.4 1135.01,592.4 ; IC2.1 1135.01,592.4 ; IC2.3@1185.01,520 IC2.3@1180.01,520 ; C4.1 1355.01,520.63 1314.38,480 1240.01,480 1210.01,450 1180.01,480 IC2.3@1180.01,520 ; 1135.01,530 1135.01,592.4 ; 1135.01,530 1135.01,520 IC2.3@1180.01,520
  Top w24: C5.1@1210.01,450 1210.01,435 1210.01,265 1265.01,210 VCC2.P$1
  Bottom w16: v1(1110.01,600) 1395.01,600 1465.01,670 1465.01,1120 v1(1420.01,1165)
pads on no net: BATT.NC1 BATT.NC2 CN1.ID CN1.MH1 CN1.MH2 IC1.2 IC1.12 IC1.36 IC1.37 IC1.38 IC1.39 IC1.40 IC2.4 JP1.2 LED1.DO LED1.NC ON/OFF.MH1 ON/OFF.MH2 ON/OFF.S2 U$2.1 U$3.1 U$6.1

## Polygon pours and split planes (outlines as drawn)
GND on Top "Polygon_3_Net_GND" (solid, remove dead copper, pour order 0): 645.01,1740 645.01,1480 1105.01,1480 1105.01,1740
GND on Top "Polygon_1_Net_GND" (solid, remove dead copper, pour order 2): 875.01,220 ccw(c875.01,875) 1530.01,875 ccw(c875.01,875) 875.01,1530 ccw(c875.01,875) 220.01,875 ccw(c875.01,875)
GND on Bottom "Polygon_2_Net_GND" (solid, remove dead copper, pour order 1): 875.01,220 ccw(c875.01,875) 1530.01,875 ccw(c875.01,875) 875.01,1530 ccw(c875.01,875) 220.01,875 ccw(c875.01,875)

## Keep-outs
Keep-Out Layer:
  the board outline again, w0

## Silkscreen, mask and mechanical layers (free items; w line width, h text height)
Dimension:
  the board outline again, w0
Top Assembly:
  circle w16: c1445.01,635 r11.18
  text "GND" at 580.01,1510 h42.5 r210
  text "3.3V" at 1290.01,1440 h42.5 r150
  text "SCL" at 380.01,1370 h42.5 r230
  text "D7" at 1224,1318.35 h34 r90
  text "PWR" at 565.01,1310 h34 r90
  text "adafruit!" at 737.35,1300.25 h38.25
  text "D10" at 1435.01,1290 h42.5 r130
  text "RX" at 415.01,1245 h34
  text "TX" at 495.01,1245 h34
  text "SDA" at 240.01,1170 h42.5 r250
  text "D9" at 1545.01,1055 h42.5 r110
  text "OFF" at 365.01,1030 h42.5
  text "GND" at 1565.01,810 h42.5 r90
  text "3.3V" at 230.01,800 h42.5 r90
  text "RX" at 215.86,672.01 h42.5 r290
  text "ON" at 365.01,655 h42.5
  text "D6" at 1510.71,623.93 h42.5 r70
  text "TX" at 331.94,451.93 h42.5 r310
  text "D12" at 1389.28,416.32 h42.5 r50
  text "GND" at 495.65,299.85 h42.5 r330
  text "VBATT" at 1144.54,229.07 h42.5 r30
Bottom Assembly:
  text "Mainboard version B" at 1269.56,593.66 h42.5
  text "Atmega32u4 @ 8 MHz" at 1251.86,508.66 h42.5
  text "VBatt: 3-9VDC" at 1138.57,423.66 h42.5

## Dimensions
875.01,875 to 875.01,1311.93 on Unrouted

## Text inside footprints (layer, text, board x,y; h text height)
BATT: Top Assembly "-" at 1010.01,385 h86.8 r180; Top Assembly "+" at 785.01,385 h86.8 r180
CN1: Assembly Top "PCB EDGE" at 875.01,1727.48 h24.8 r180
L: Assembly Top "C" at 1153.95,1312.76 h15.5 r180; Assembly Top "A" at 1153.95,1415.12 h15.5 r180
PWR: Assembly Top "C" at 603.95,1317.76 h15.5 r180; Assembly Top "A" at 603.95,1420.12 h15.5 r180
RXLED: Assembly Top "C" at 451.07,1217.24 h15.5; Assembly Top "A" at 451.07,1114.88 h15.5
TXLED: Assembly Top "C" at 521.07,1217.24 h15.5; Assembly Top "A" at 521.07,1114.88 h15.5
U$5: Top Assembly ">REV" at 864.01,330 h62